# Altium PCB MB1191.PcbDoc (part 1 of 7) (continued)
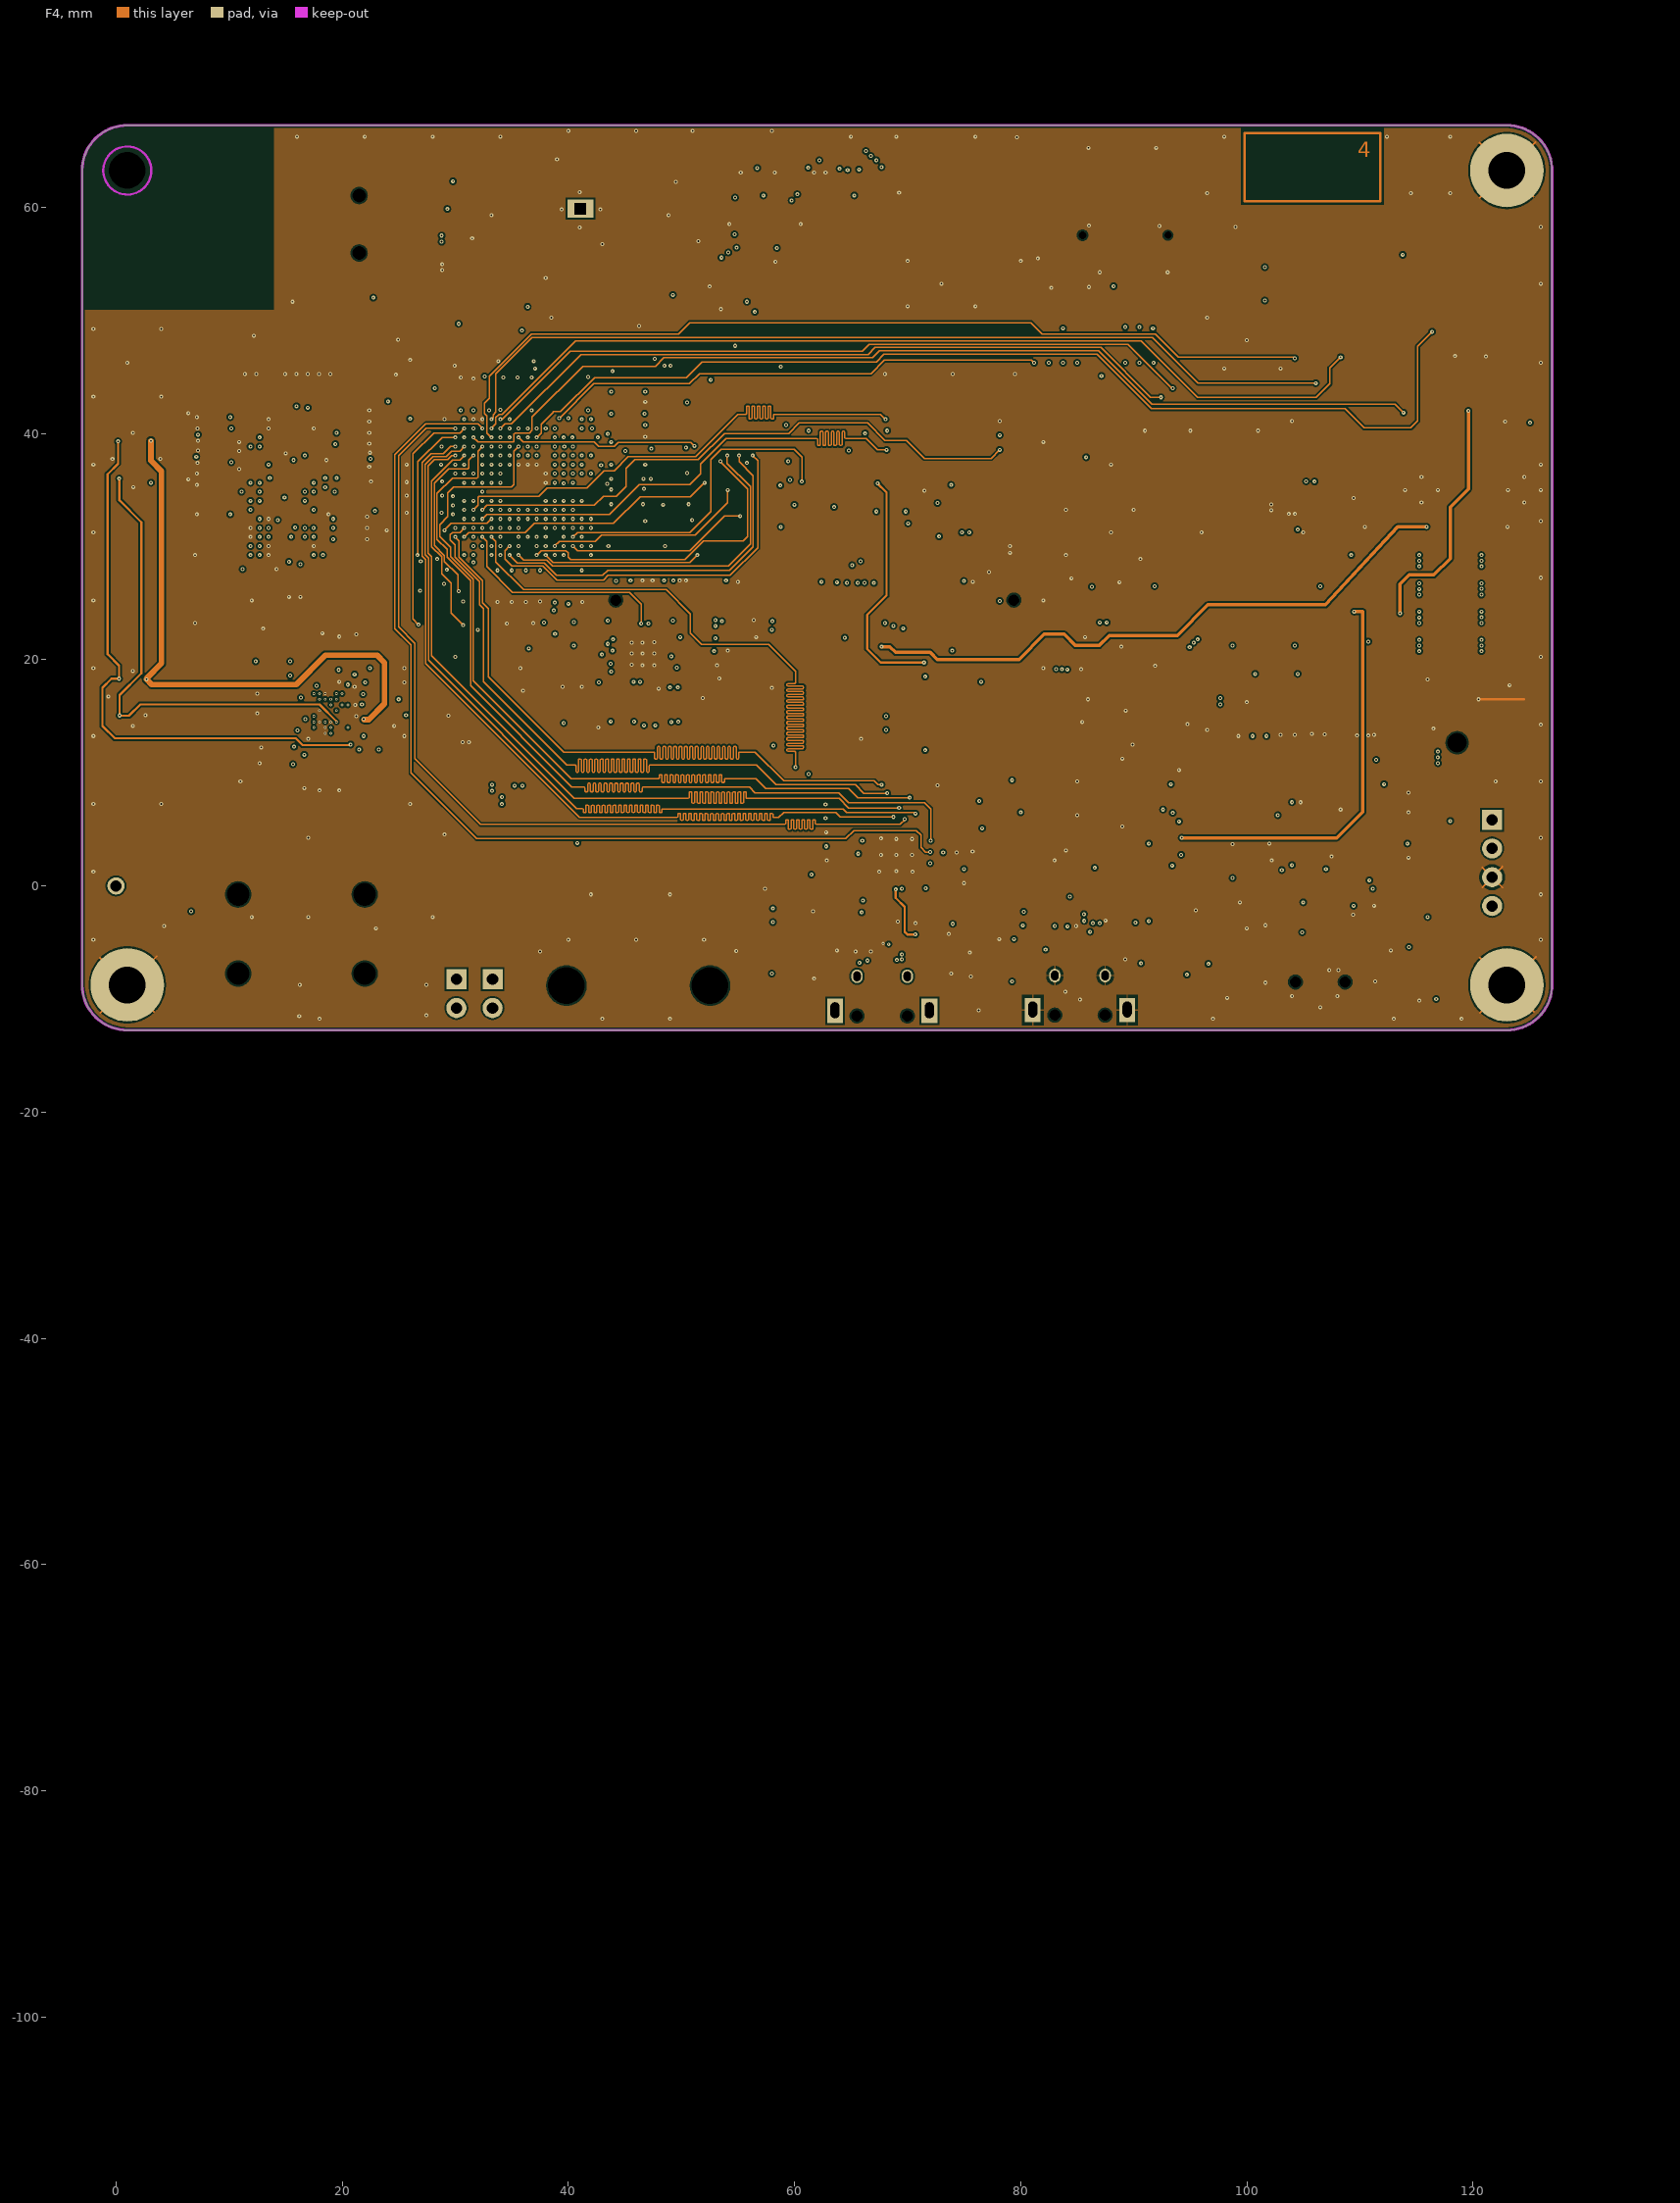
[diagram p4: F4]
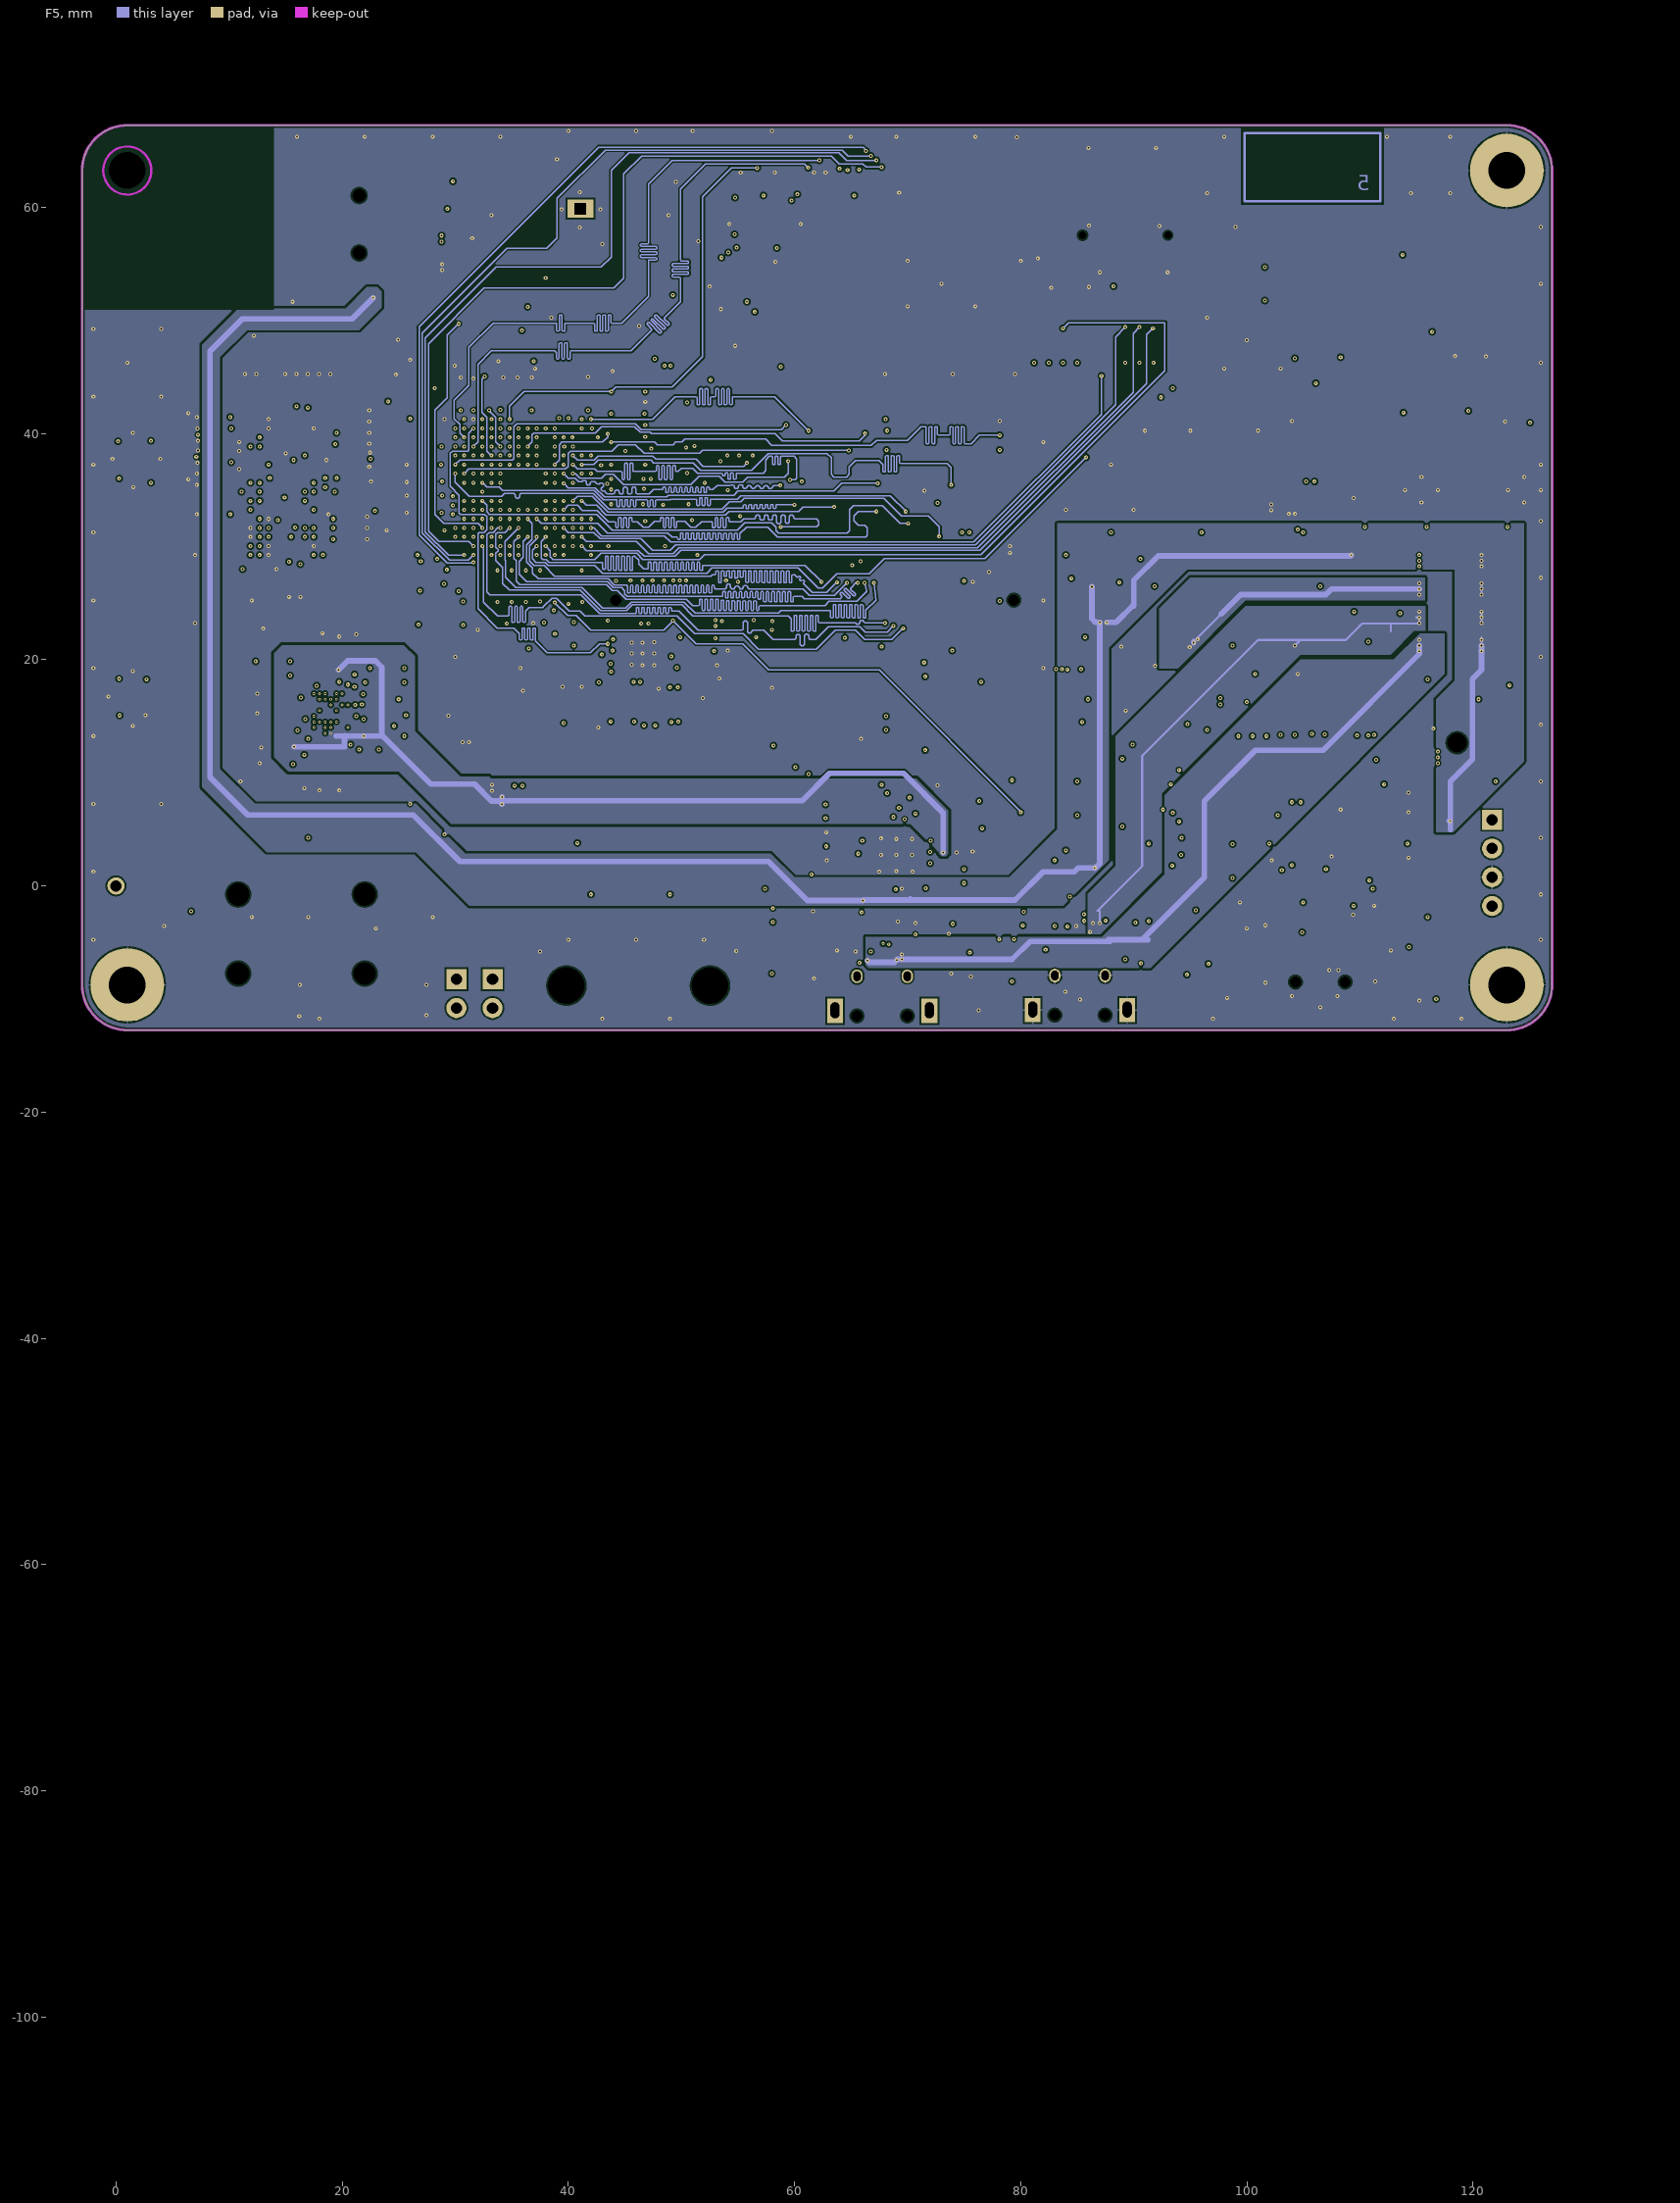
[diagram p5: F5]
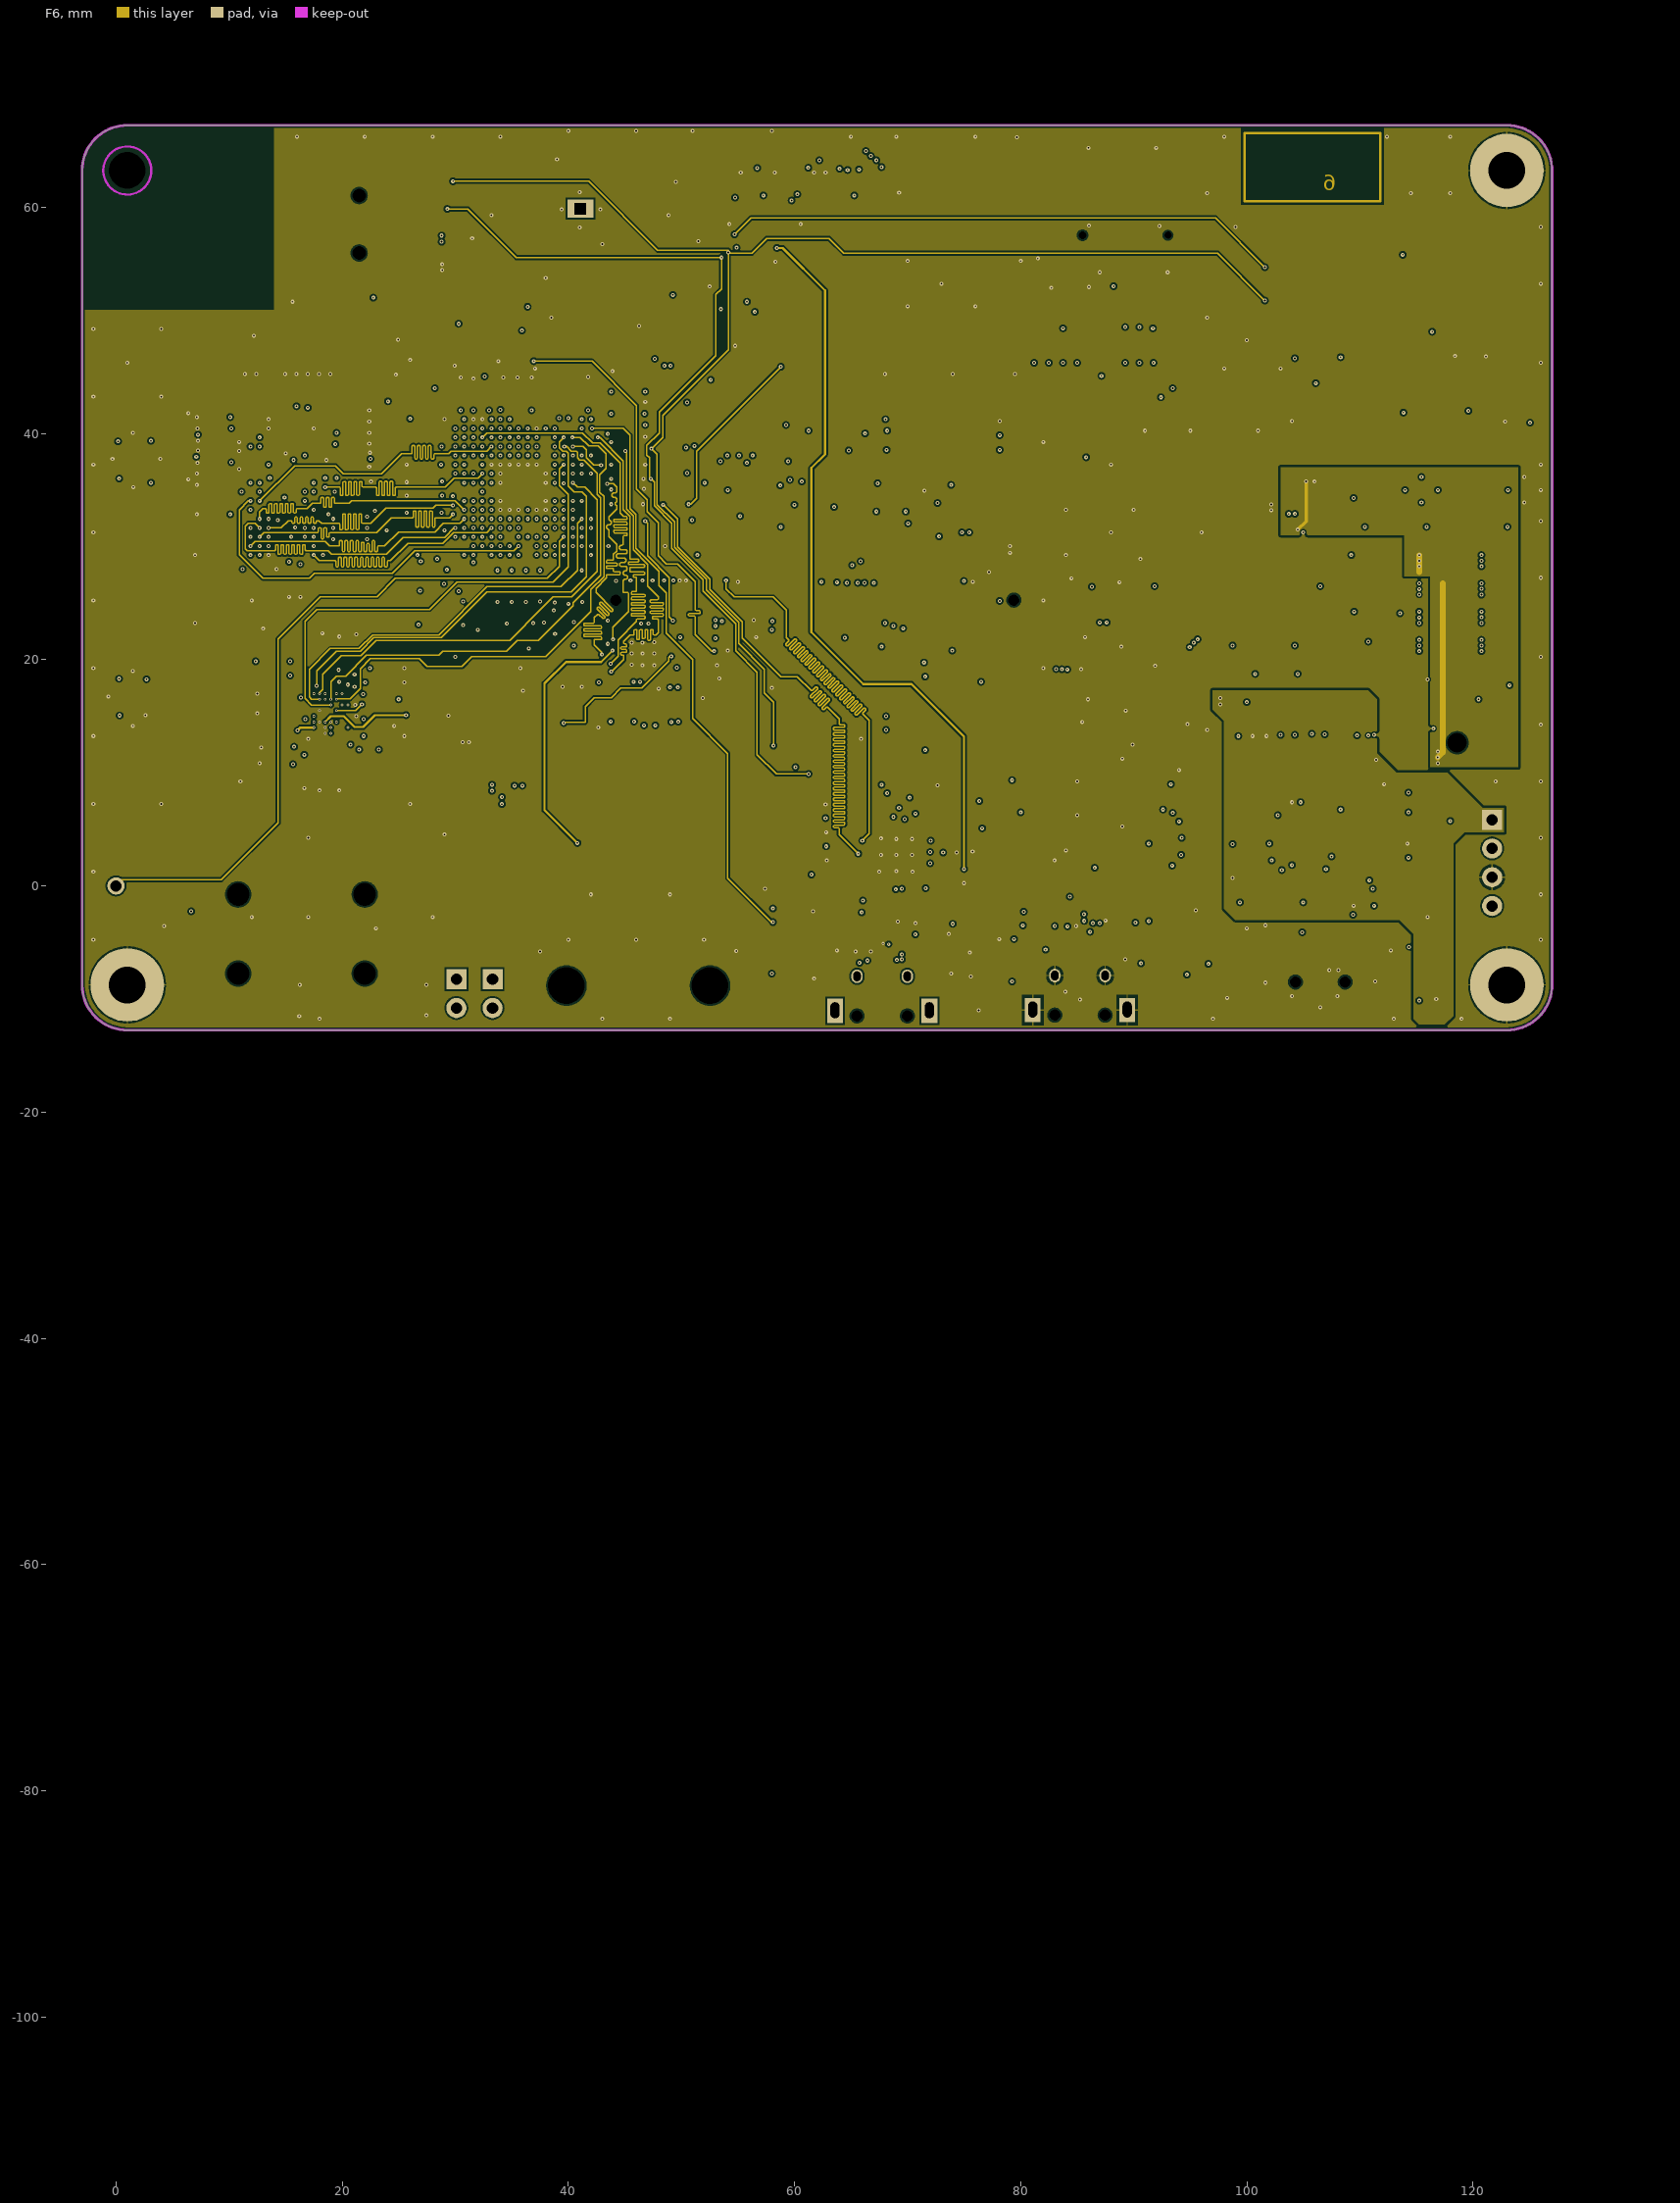
[diagram p6: F6]